# Allegro board LAY-38820_A.brd (continued)
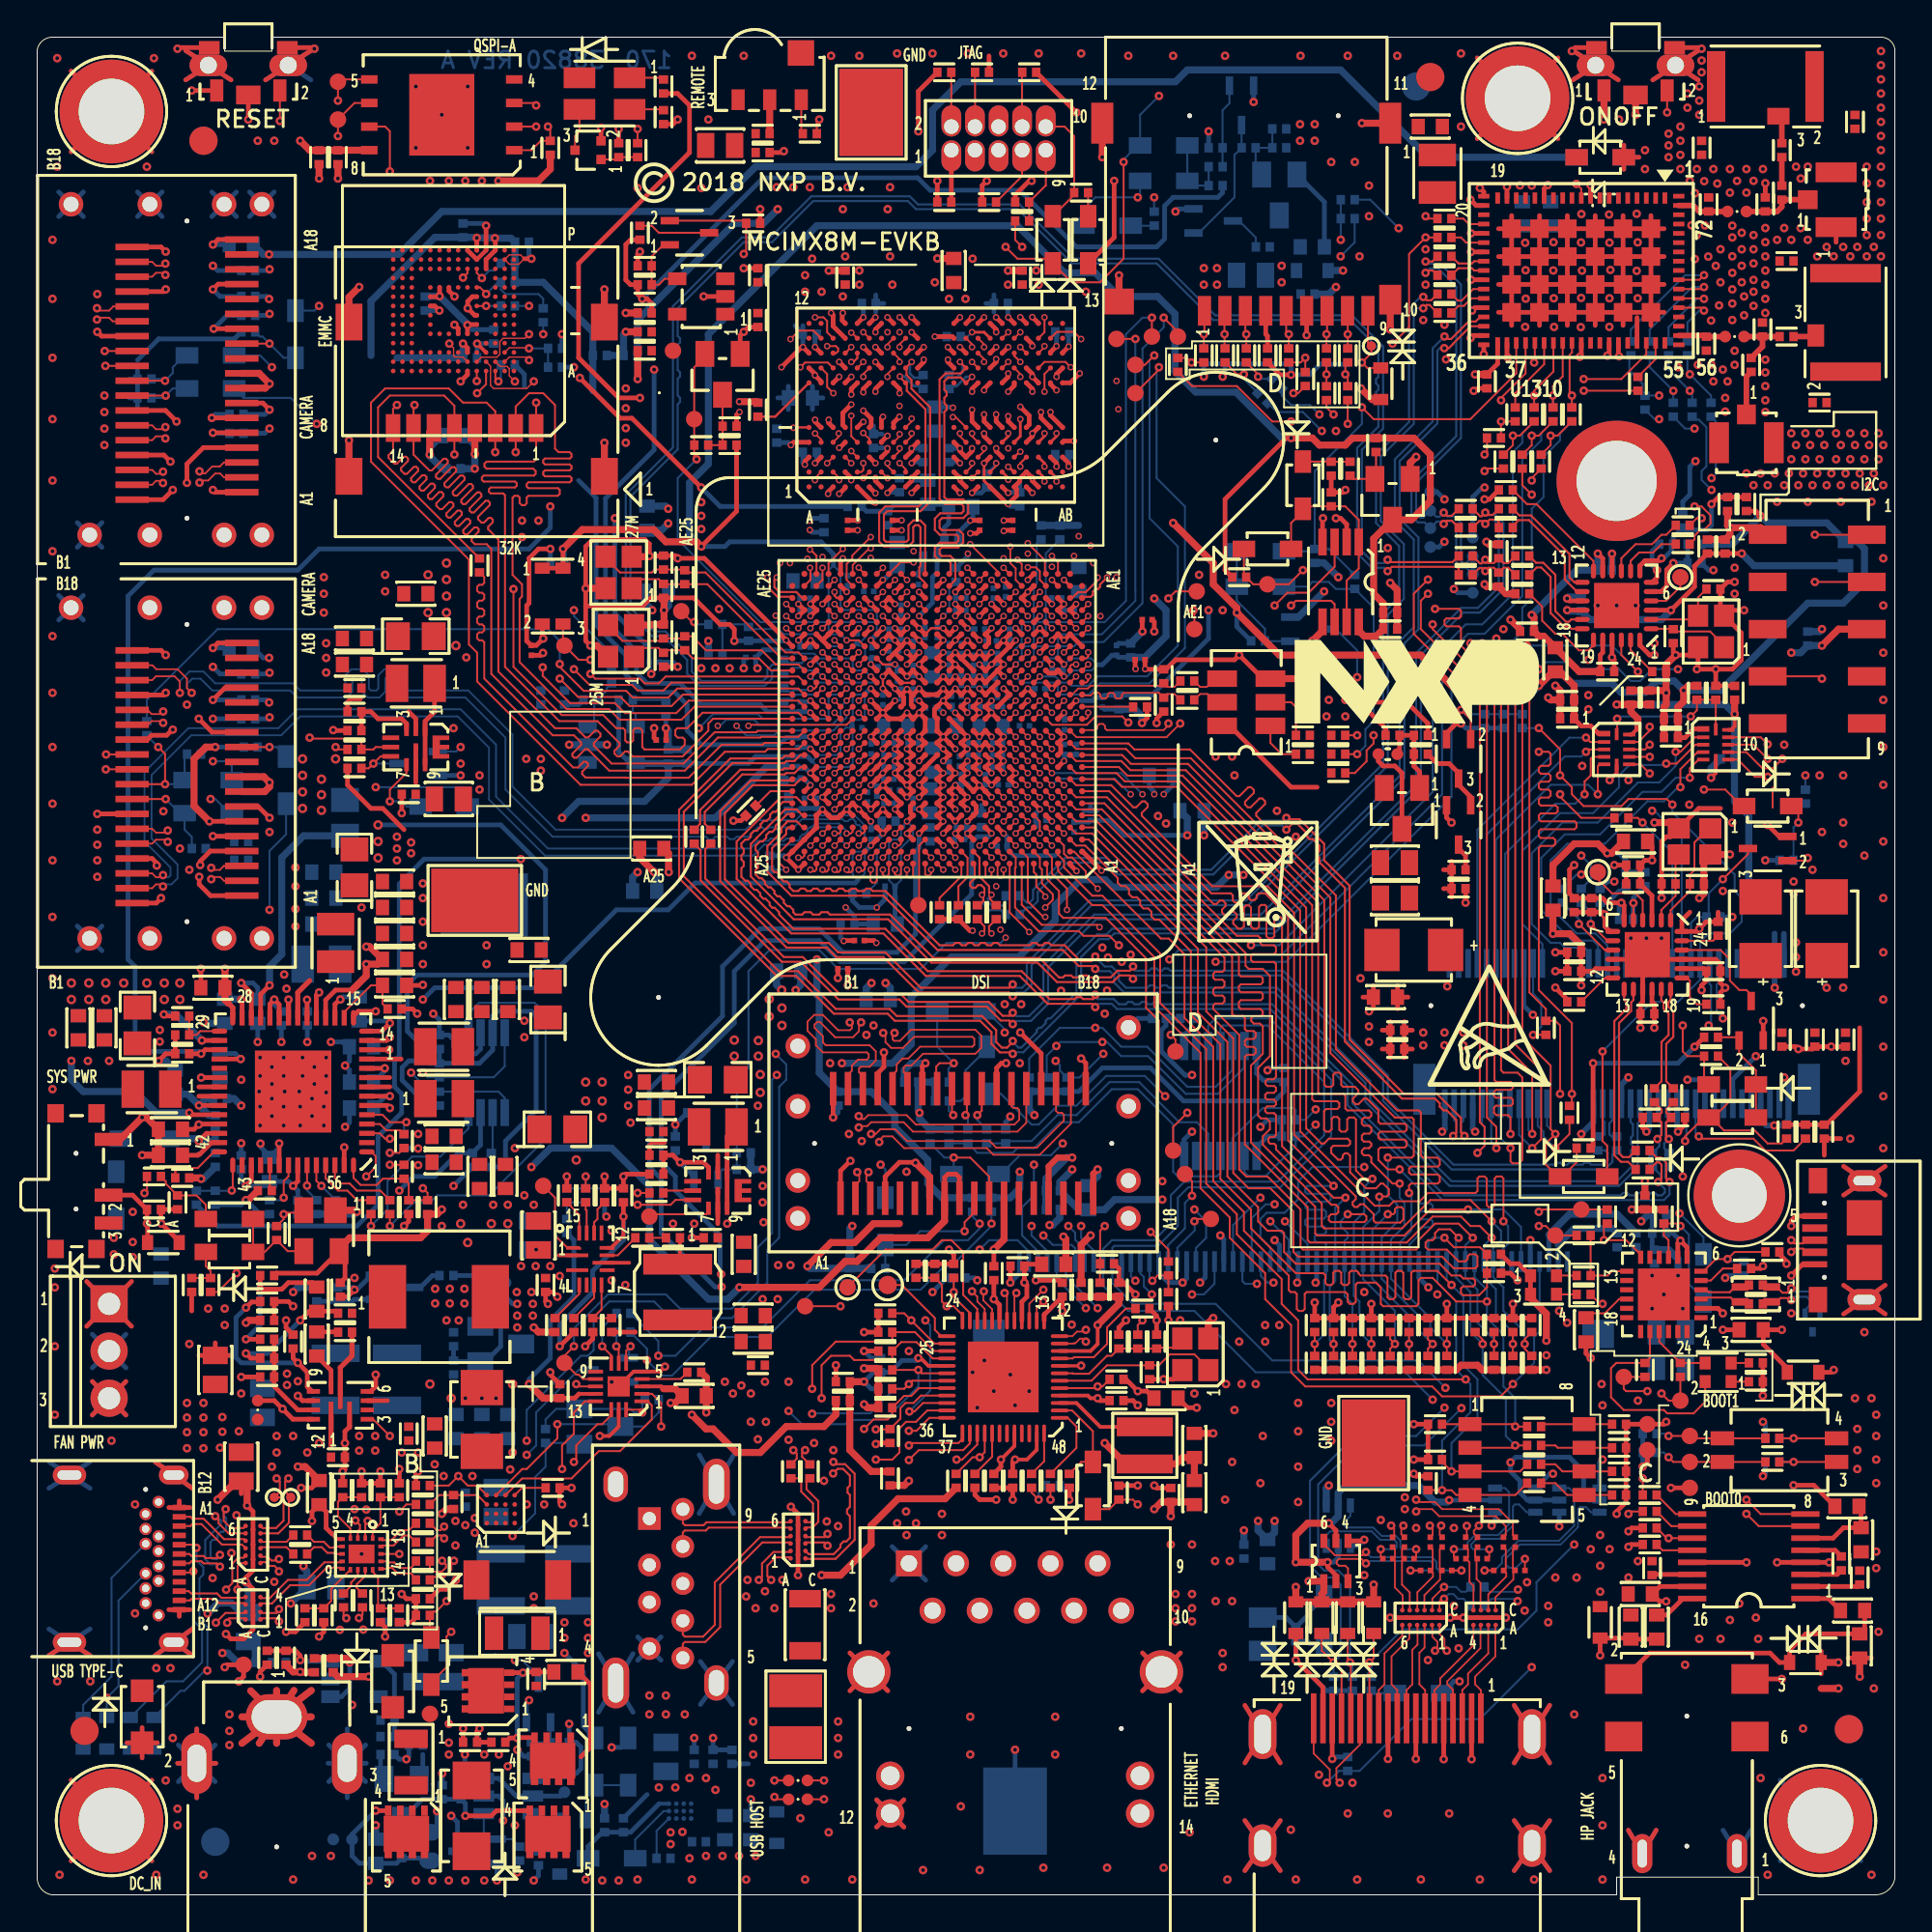
[diagram p0: board, top side]
## Routing (per net, layer and track width the routed paths; a pad name or vN(x,y) marks a point on that pad's centre or on a via; arc(x,y) is an arc through that point) (continued)
NVCC_3V3: length 236.4
  TOP w0.203: v1(57.09,26.73) 56.7,26.73 56.56,26.88 U1201.4 ; U907.3 33.59,27.37 33.72,27.24
  TOP w0.254: R920.1 20.39,22.68 v1(20.51,22.8) ; C1207.1 57.21,26.61 v1(57.09,26.73) ; R405.1 v1(48.46,92.26) ; R1223.1 58.24,22.03 v1(59.24,22.03) ; R1109.2 85.79,18.86 v1(85.66,18.73) ; U101.W4 v2(53.97,66.88) ; U101.R6 v2(53.32,64.93) U101.R5 ; v1(92.89,26.87) R1703.1 R1702.1 ; R1205.1 58.61,27.75 v1(59.24,27.11) 59.74,27.11 C1206.1 ; R1803.2 v1(60.9,30.92) ; v1(87.69,15.8) 87.34,15.8 C1104.1 87.35,16.6 U1101.15 ; Y501.6 64.2,62.93 67.5,59.63 68.9,59.63 ; U601.F5 23.19,84.53 v1(23.17,84.51) U601.E6 ; U601.K9 v1(21.66,86.05) 21.64,86.03 U601.J10 ; C1310.1 78.62,82.42 U1301.37 ; 72.07,64.2 73.72,64.2 74.86,63.06 R1460.1 ; D1703.3 D1703.1 79.75,33.97 79.3,33.97 R801.2 ; D402.A 57.97,89.22 v1(57.97,92.26) ; v1(94.55,22.05) 95.64,22.05 L1104.2 ; v1(92.9,33.84) 92.77,33.72 R1716.1 ; U101.D8 v2(52.02,57.13) ; 12.51,85.1 v1(12.51,85.11) ; U101.M18 v2(44.88,62.33) U101.L18 ; U101.J7 v2(52.67,60.38) U101.H7 v2(52.67,59.73) ; C1441.1 72.59,62.79 v1(71.31,64.07) ; U101.E3 v2(55.27,57.78) ; U101.F5 v2(53.97,58.43) ; U101.M3 v2(55.27,62.33) U101.L3 55.1,61.86 55.1,61.5 U101.K3 ; v1(34.48,95.57) 34.23,95.32 R1609.1 ; R402.1 47.43,97.08 v1(47.43,94.93) ; U702.55 v1(16.53,40.24) ; v1(87.69,25.46) 87.57,25.34 TP1701.1 R806.2 R804.2 R803.2 R802.2 85.53,21.14 85.03,20.64 v1(85.03,20.51) ; v1(55.94,95.95) 55.94,95.95 R403.1
  TOP w0.381: v1(81.24,29.83) 81.24,31.28 80.39,32.13 D1703.3 ; v1(55.24,35.43) 55.37,35.3 L1201.1 ; v1(96.07,67.25) 96.96,68.13 J801.5 ; v1(32.33,81.6) R101.1 ; v1(26.73,30.54) 26.98,30.3 R731.1 ; R1704.1 87.55,36.9 C1703.1 85.85,36.9 v1(85.84,36.89) ; v1(14.16,94.42) 14.67,93.91 C614.1 C613.1 16.2,93.92 U603.8 ; v1(24.83,92.26) 26.99,92.26 27.62,92.9 R620.1 ; C1310.1 v1(77.4,81.84) ; v1(34.1,26.48) 34.34,26.48 C915.1 34.34,27.24 33.72,27.24 ; v1(68.64,67.5) 69.19,68.05 U802.5 ; v1(81.24,28.26) R808.2 R807.2 R805.2 77.78,28.26 77.53,28.51 76.64,28.51 76.4,28.26 R816.2 R815.2 R814.2 R813.2 R812.2 R811.2 R810.2 R809.2 ; v1(42.23,17.21) 43.24,17.21 44.89,18.86 44.89,19.87 46.34,21.32 48.88,21.32 R1206.1 ; J601.P4 v1(23.56,77.56)
  L6_INT_2 w0.381: v1(16.53,40.24) 16.53,33.76 v1(17.08,33.21)
  L8_INT_3 w0.102: 54.3,66.56 54.3,65.45 54.06,65.21 53.65,65.21 53.65,66.56 v2(53.97,66.88) 54.3,66.56
  L8_INT_3 w0.254: v1(19.49,37.91) 19.11,37.91 17.08,35.88 v1(17.08,33.21) ; v2(53.32,64.93) 53.38,64.93 53.65,65.21
  L8_INT_3 w0.381: v1(53.68,41.97) 53.68,40.47 52.89,39.69 v1(52.89,38.92)
  BOTTOM w0.254: v1(76.57,11.49) 76.26,11.49 D1003.A ; R1346.1 88.58,74.99 88.96,75.37 88.96,76.87 v1(89.27,77.18) ; v2(44.88,62.33) 44.89,62.32 C194.1 ; R824.2 93.03,22.68 v1(92.9,22.54) ; v1(12.51,85.11) 12.43,85.03 C1516.1 ; R1323.1 77.28,75.25 77.79,75.75 v1(77.91,75.75) ; v2(52.67,59.73) 52.66,59.75 C193.1 ; R1463.1 v1(93.03,55.69) ; R1606.1 69.29,91.12 Q1602.2 ; v1(84.9,54.55) 84.52,54.55 R1457.1 ; R823.1 93.03,25.33 v1(92.9,25.46) ; R1322.1 76.47,70.09 v1(76.26,70.29) ; v2(53.97,58.43) 53.77,58.23 C196.1 53.77,57.48 ; C603.1 23.41,84.26 v1(23.17,84.51) ; v1(12.49,64.19) 12.35,64.32 C1513.1 ; U1502.7 23.87,40.37 C1530.1 22.66,39.93 21.4,38.67 20.26,38.67 v1(19.49,37.91) ; R308.1 56.08,43.25 57.34,44.51 59.93,44.51 61.71,42.73 66.61,42.73 67.12,43.24 C1528.1 67.02,43.85 66,43.85 65.64,44.21 U1501.14 ; 54.8,55.94 52.56,55.94 52.21,56.3 C199.1 52.21,56.95 v2(52.02,57.13) ; C1510.1 12.35,86.04 v1(12.49,85.91) ; C2.1 v2(53.32,64.93) ; v1(12.51,63.39) 12.43,63.31 C1519.1 ; C781.1 25.21,32.19 25.59,31.81 v1(25.84,31.81)
  BOTTOM w0.381: v1(30.54,4.89) R917.1 ; v1(41.97,50.35) 41.97,48.45 42.1,48.32 42.1,44.25 C1523.1 44.9,43.24 46.16,41.97 46.16,41.34 47.94,39.56 47.94,38.29 48.71,37.52 R301.1 R302.1 52.38,37.52 52.89,38.04 v1(52.89,38.92) ; v1(96.07,67.25) 96.07,67.25 C804.1 94.93,66.86 v1(94.42,66.86) ; v1(70.04,70.93) 69.27,71.7 R1343.1 ; C618.1 23.56,78.05 v1(23.56,77.56) 23.56,76.77 v1(23.56,76.77) C617.1 ; C601.1 20.91,86.05 v1(21.66,86.05) 23.17,84.55 v1(23.17,84.51) ; v1(39.86,90.74) 39.1,89.98 37.53,89.98 32.31,84.77 C602.1 32.33,82.85 v1(32.33,81.6) ; v1(53.68,41.97) 53.4,42.25 R303.1 R304.1 R308.1 ; v1(54.5,36.05) 54.67,36.05 55.05,36.44 C1526.1
  vias: v1(11.87,94.42) v1(12.76,94.42) v1(21.14,92.26) v1(22.16,92.26) v1(23.05,92.26) v1(23.94,92.26) v1(25.84,31.18) v1(25.84,30.54) v1(26.68,31.81) v1(26.68,31.18) v1(39.81,91.92) v1(40.7,91.92) v1(41.59,91.92) v1(61.02,18.86) v1(61.53,30.92) v1(62.17,18.86) v1(62.29,26.99) v1(67.98,95.31) v1(67.98,94.42) v1(68.52,63.44) v1(68.77,95.31) v1(68.77,94.42) v1(69.4,63.44) v1(69.53,64.32) v1(70.42,64.32) v1(70.42,63.44) v1(81.24,29.04)
NVCC_DRAM_1V1: length 73.1
  TOP w0.127: v2(48.77,68.18) 48.12,68.18 U101.Y14
  TOP w0.254: U201.R12 v2(50.97,84.92) ; U201.U10 v2(52.27,83.32) ; C160.1 52.04,73.99 v2(52.03,73.98) ; v2(44.47,79.9) 44.9,79.47 44.9,79.09 U201.F5 ; C767.1 6.91,47.31 v1(6.82,47.4) ; v2(52.92,80.1) 53.4,79.62 53.4,79.15 U201.W5 ; v2(40.58,78.04) 40.73,78.19 U201.A4 ; v2(50.32,79.95) 50.32,79.32 U201.R5 ; v2(50.32,80.92) 50.32,81.07 U201.R8 ; v2(53.32,69.48) U101.AC6 v2(53.32,70.13) 53.33,70.13 U101.AD5 ; U201.D12 43.33,84.76 43.33,85.12 v2(43.37,85.15) ; U101.Y14 v2(47.48,68.18) U101.AA15 ; U201.U8 52.27,81.72 v2(52.27,81.89) ; v2(46.43,80.83) 46.43,81.06 U201.H8 ; U201.K3 v2(47.07,77.07) ; U101.AB8 51.7,69.16 v2(51.38,69.48) ; U201.AA10 54.55,83.04 v2(54.87,83.37) ; U201.AB4 55.27,78.26 v2(55.82,78.26) ; C177.1 50.24,73.99 v2(50.23,73.98) ; C35.1 v2(46.53,73.99) ; v2(54.04,79.82) 54.04,79.5 U201.AA5 ; v2(54.87,76.89) 54.87,77.07 U201.AA3 ; U201.U3 51.62,77.72 v2(51.62,77.87) ; v2(44.47,80.89) 44.47,81.07 U201.F8 ; v2(46.18,69.48) U101.AC17 45.85,69.81 v2(45.53,69.48) U101.AB17 ; U101.AC20 v2(43.58,69.48) ; v2(45.53,70.78) 45.52,70.78 U101.AD18 ; C36.1 v2(44.17,73.99) ; U201.AB9 54.87,81.87 v2(54.87,81.72) ; U201.F10 v2(44.47,83.32) ; v2(53.57,80.92) 53.57,81.07 U201.W8 ; U201.B8 42.2,81.47 v2(41.87,81.79) 41.87,81.87 U201.A9 ; v2(45.12,77.07) 45.12,77.07 U201.F3 ; U201.R1 v2(50.32,75.47) ; U201.B5 42.19,78.99 41.87,79.3 v2(41.87,79.41) ; v2(43.82,80.23) 43.37,79.77 43.37,79.12 U201.D5 ; U101.AC8 v2(52.02,69.48) ; U201.D1 43.5,75.74 v2(43.17,75.42) ; U201.N1 v2(49.67,75.47) ; v2(54.87,80.99) 54.55,81.32 U201.AA8 ; v2(51.62,79.69) 51.62,79.32 U201.U5 ; U201.K12 v2(47.07,84.92) ; U101.AC14 v2(47.48,70.13) ; U101.AC23 41.95,69.81 v2(41.63,69.48) U101.AB23 v2(41.63,68.83) ; v2(49.42,68.18) U101.Y12 v2(48.77,68.18) ; U201.D8 v2(43.82,81.72) ; U101.AD21 43.57,70.13 v2(43.58,70.13) ; U201.N12 v2(49.67,84.92) ; U101.AC3 54.95,69.81 v2(55.27,69.48) U101.AB3 v2(55.27,68.83) ; U201.W1 v2(53.57,75.47) ; U101.AA10 50.08,68.83 v2(50.07,68.83) ; U201.K10 v2(47.72,83.32) ; U201.B3 v2(41.87,77.07) ; U201.B10 v2(41.87,83.32) ; U201.W12 52.92,84.92 v2(52.92,84.92) ; U201.N10 v2(49.02,83.32) ; U201.H1 v2(45.77,75.47) ; U201.N3 v2(49.67,77.07) ; U702.30 v1(8.87,45.99) ; U201.K1 v2(47.07,75.47) ; v2(46.42,79.56) 46.1,79.25 U201.H5 ; U201.H12 v2(45.77,84.92)
  TOP w0.381: v2(37.79,80.38) 38.74,80.38 R204.1
  L6_INT_2 w0.381: v1(8.87,45.99) 10.44,47.56 11.37,47.56 11.75,47.94 11.75,49.24 12.13,49.62 12.56,49.62 14.79,51.85 14.79,55.43 14.29,55.94 v3(14.29,58.48)
  BOTTOM w0.254: v2(49.67,77.07) 49.62,77.13 C215.1 ; v2(41.87,77.07) 41.97,77.16 C210.1 ; C18.1 45.58,70.78 v2(45.53,70.78) ; R203.1 40.44,78.17 v2(40.58,78.04) ; C218.1 49.59,73.34 v2(50.23,73.98) 50.37,74.12 R209.1 ; v2(50.32,75.47) 50.82,75.47 R207.1 ; v2(41.59,73.98) 41.71,74.1 C217.1 ; v2(47.07,77.07) 47.13,77.13 C214.1 ; R206.1 45.81,75.51 v2(45.77,75.47) ; v2(54.87,83.37) 54.87,84.07 C207.1 ; v2(43.58,70.13) 43.62,70.18 C155.1 ; C212.1 41.87,83.92 v2(41.87,83.32) ; v2(54.87,76.89) 54.87,77.47 C209.1
  BOTTOM w0.381: v1(8.87,45.99) 7.47,47.4 v1(6.82,47.4)
  vias: v1(43.37,86.04) v1(44.26,86.68) v1(46.04,86.68) v1(48.32,86.8) v1(49.08,85.91) v1(49.97,85.91) v1(52.26,86.68) v1(53.91,86.68) v2(46.83,69.48) v2(50.07,70.13) v2(50.07,69.48) v3(14.29,61.15) v3(14.29,60.26) v3(14.29,59.37) v3(15.3,60.06) v3(15.3,59.22) v3(15.3,58.38) v3(16.06,61.15)
NVCC_ENET_2V5: length 78.9
  TOP w0.254: U101.T18 v2(44.88,65.58)
  TOP w0.381: v1(35.24,25.84) 36,25.08 36.38,25.08 37.65,23.81 38.92,23.81 40.32,25.21 42.35,25.21 43,25.85 R1201.2
  L6_INT_2 w0.381: v1(35.24,25.84) 34.73,26.35 34.73,28.54 32.22,31.05 30.29,31.05 28.76,32.57 28.76,33.74 27.14,35.37 24.19,35.37 23.68,35.88 23.68,38.42 22.67,39.43 22.67,51.93 22.92,52.19 22.92,56.2 25.72,58.99 25.72,61.4 27.24,62.93 28.89,62.93 32.65,66.69 38.21,66.69 38.77,66.13 v1(38.77,66.03)
  BOTTOM w0.102: 40.75,66.82 41.83,66.82 42.08,66.56 43.8,66.56 43.9,66.46 43.9,66.08 44.07,65.91 44.55,65.91 v2(44.88,65.58)
  BOTTOM w0.107: 39.76,67.02 40.55,67.02 40.75,66.82
  BOTTOM w0.254: 39.76,67.02 39.09,67.02 C3.1 38.68,66.12 v1(38.77,66.03)
NVCC_SD2: length 72.4
  TOP w0.254: R1602.1 32.44,89.09 31.94,89.09 31.69,88.84 31.69,86.93 31.94,86.68 R1601.1 32.33,86.16 v1(32.57,85.91) 32.83,85.91 33.08,85.66 33.08,85.16 C1604.1 ; U101.N23 v2(41.63,63.63)
  BOTTOM w0.254: R1612.1 63.81,91.63 63.56,91.38 61.15,91.38 60.69,90.92 60.69,89.14 60.26,88.71 55.94,88.71 52.89,91.76 48.07,91.76 47.4,92.43 39.09,92.43 v1(32.57,85.91) ; v1(33.21,82.1) 33.21,77.79 30.59,75.17 30.59,68.59 32.26,66.93 32.26,65.79 32.83,65.21 34.61,65.21 35.75,64.07 38.92,64.07 39.31,63.69 C191.1 41.57,63.69 v2(41.63,63.63)
NVCC_SNVS_3V3: length 181
  TOP w0.254: v1(35.75,72.58) 37.65,74.48 R415.1 ; v1(67.5,78.42) 67.24,78.42 63.94,75.13 63.94,71.31 64.32,70.93 R419.1 ; U101.W18 v2(44.88,67.53) ; v1(28.31,72.45) Y403.4 Y403.1 ; C720.1 16.57,33.2 16.57,34.33 U704.4 15.07,33.46 12.88,33.46 R755.2
  TOP w0.381: U802.8 71.14,68.05 71.44,67.75 72.08,67.75 C801.1 C802.1 72.46,69.53 71.94,70.04 71.94,73 U801.3 73.98,74.02 74.99,75.04 74.99,77.53 74.11,78.42 R847.1 70.8,78.42 70.42,78.04 69.02,78.04 68.64,78.42 v1(67.5,78.42) ; v1(35.75,72.58) 35.5,72.83 33.84,72.83 33.18,73.49 29.35,73.49 v1(28.31,72.45) ; v1(21.78,36.89) 21.53,36.65 R723.1 21.02,35.75 20.64,35.37 16.83,35.37 16.25,34.79 U704.4
  L6_INT_2 w0.381: v1(36.13,67.5) 32.45,67.5 29.15,64.2 27.49,64.2 24.95,61.66 24.95,59.12 22.22,56.39 22.22,53.09 21.91,52.77 21.91,39.05 21.78,38.92 v1(21.78,36.89)
  L8_INT_3 w0.381: v1(35.75,72.58) 35.75,71.56 35.37,71.18 35.37,69.4 36.13,68.64 v1(36.13,67.5)
  BOTTOM w0.102: 45.2,68.64 45.07,68.51 ; 45.2,68.64 45.2,68.51 45.2,68.51 ; 45.2,68.64 45.2,69.06 45.1,69.16 43.44,69.16 43.25,69.35 43.25,71.18 42.86,71.56 42.6,71.3 42.6,68.7 42.79,68.51 45.07,68.51 ; 45.07,68.51 45.08,68.51 ; 45.2,68.51 45.08,68.51 ; 45.2,68.51 45.2,68.39 ; 45.2,67.86 45.2,68.39 ; 45.2,68.39 45.08,68.51
  BOTTOM w0.254: 45.2,67.86 v2(44.88,67.53) 44.94,67.46 C101.1 ; C406.1 28.38,72.38 v1(28.31,72.45) ; v1(35.75,72.58) 37.02,72.58 37.27,72.83 42.2,72.83 42.86,72.17 42.86,71.56
  BOTTOM w0.381: R409.1 36.14,67.49 v1(36.13,67.5) ; v1(67.5,78.42) 66.99,78.42 64.52,80.89 62.37,80.89 61.25,82.01 61.25,85.1 60.31,86.04 58.23,86.04 56.96,87.31 55.31,87.31 52.77,89.85 41.97,89.85 36.13,84.01 36.13,77.02 35.11,76.01 35.11,73.21 v1(35.75,72.58)
NWDOG: length 131.4
  TOP w0.107: U101.R4 v2(54.62,64.28) ; C726.1 9.72,32.45 v1(10.73,33.46)
  L6_INT_2 w0.076: v1(10.73,33.46) 10.98,33.72 14.67,33.72 19.75,28.64 30.8,28.64 34.35,25.08 37.53,25.08 38.54,24.07 39.94,24.07 42.18,21.83 49.16,21.83 50.51,20.48 56.17,20.48 58.48,22.8 58.48,28 59.75,29.27 63.44,29.27 65.29,31.13 67.68,31.13 68.13,30.67 73.72,30.67 v1(75.37,32.32)
  L8_INT_3 w0.076: v2(54.62,64.28) 54.95,63.96 56.21,63.96 56.58,64.32 60.77,64.32 61.15,64.71 62.93,64.71 63.49,64.14 67.05,64.14 73.28,57.91 73.28,55.88 74.99,54.16 74.99,52.77 76.39,51.37 76.39,47.69 75.25,46.54 75.25,43.12 74.36,42.23 74.36,40.07 75.5,38.92 75.5,36.38 74.87,35.75 74.87,33.97 75.37,33.46 v1(75.37,32.32)
ODT_CA_A: length 1.1
  TOP w0.107: v2(45.78,76.26) 45.45,76.59 U201.G2
  BOTTOM w0.107: v2(45.78,76.26) 45.78,76.26 R206.2
ODT_CA_B: length 1.4
  TOP w0.102: U201.T2 51.62,76.92 v2(51.62,77.07)
  BOTTOM w0.107: R207.2 51.62,77.02 v2(51.62,77.07)
ONOFF: length 74.5
  TOP w0.107: v1(68.13,71.31) 67.37,70.55 TP401.1 65.46,70.55 R419.2 64.96,71.05 D801.A ; U101.W21 v2(42.93,67.53) ; SW1701.2 v1(87.74,95.95)
  L6_INT_2 w0.076: v2(42.93,67.53) 43.08,67.53 43.42,67.2 44.43,67.2 45.71,65.92 57.03,65.92 57.59,66.48 63.05,66.48 63.94,67.37 66.1,67.37 68.13,69.4 v1(68.13,71.31) 68.13,76.01 71.82,79.69 71.82,87.57 v1(71.18,88.2)
  L8_INT_3 w0.076: v1(71.18,88.2) 71.18,88.34 75.65,92.81 82.6,92.81 84.9,95.11 86.9,95.11 v1(87.74,95.95)
PCIE1_NCLKREQ: length 36
  TOP w0.107: v1(71.06,61.4) R307.2 ; U101.F8 v2(52.02,58.43)
  L6_INT_2 w0.076: v1(71.06,61.4) 67.88,61.4 65.09,58.61 61.91,58.61 60.9,59.63 57.34,59.63 56.47,58.76 52.54,58.76 52.21,58.43 v2(52.02,58.43)
  BOTTOM w0.107: D1304.C 68.39,70.42 68.64,70.67 69.53,70.67 69.91,70.3 R1357.1 71.94,69.28 71.94,63.18 71.5,62.74 71.5,61.85 v1(71.06,61.4)
PCIE1_REF_CLKN: length 81.7
  TOP w0.114: U101.K24 41.09,61.36 40.76,61.03 40.33,61.03 40.22,60.92 37.42,60.92 34.81,58.31 34.81,54.83 39.92,49.72 40.96,49.72 42.99,47.69 45.89,47.69 46.27,47.31 50.86,47.31 51.62,46.54 51.62,45.91 51.93,45.61 52.21,45.61 52.51,45.91 v1(52.51,45.96) ; R1339.1 77.63,73.96 77.8,73.96 v1(77.95,73.8) 78.18,74.03 78.57,74.03 78.68,73.91 R1332.2
  BOTTOM w0.114: v1(52.51,45.96) 52.51,45.91 52.81,45.61 52.98,45.61 53.81,46.44 53.81,46.56 53.92,46.67 54.04,46.67 54.29,46.93 54.29,47.05 54.42,47.18 54.55,47.18 55.94,48.58 55.94,50.59 57.06,51.7 57.56,51.7 57.87,52.01 66.48,52.01 74.23,59.75 74.23,66.84 76.67,69.28 77.55,69.28 78.68,70.4 78.68,73.74 78.39,74.03 78.18,74.03 v1(77.95,73.8)
PCIE1_REF_CLKP: length 82
  TOP w0.114: v1(52.51,45.27) 52.44,45.35 51.82,45.35 51.37,45.8 51.37,46.44 50.76,47.05 46.16,47.05 45.78,47.43 42.88,47.43 40.85,49.47 39.81,49.47 34.56,54.72 34.56,58.41 37.32,61.17 40.11,61.17 40.25,61.31 40.6,61.31 U101.K25 ; R1338.1 77.67,74.21 77.76,74.21 v1(77.95,74.41) 78.08,74.28 78.35,74.28 R1331.2
  BOTTOM w0.114: v1(52.51,45.27) 52.6,45.36 53.08,45.36 56.2,48.47 56.2,50.48 57.16,51.45 57.67,51.45 57.97,51.75 66.59,51.75 74.48,59.65 74.48,66.74 76.77,69.02 77.66,69.02 78.93,70.29 78.93,73.85 78.5,74.28 78.08,74.28 v1(77.95,74.41)
PCIE1_REQ: length 21.9
  TOP w0.107: U1302.22 85.28,66.74 v1(86.17,65.85)
  L6_INT_2 w0.076: v1(71.06,65.54) 72.25,66.74 78.04,66.74 78.42,67.12 80.07,67.12 v1(80.2,67.25)
  BOTTOM w0.107: v1(80.2,67.25) 84.77,67.25 v1(86.17,65.85) ; Q1301.3 69.91,68.13 71.06,66.99 v1(71.06,65.54)
PCIE1_RXN: length 80.3
  TOP w0.114: C1312.1 75.05,85.84 74.79,85.84 v1(74.61,86.02) ; v1(52.51,49.01) 52.34,48.83 47.56,48.83 45.66,50.74 43.12,50.74 42.61,51.24 40.45,51.24 37.02,54.67 37.02,58.23 38.52,59.73 40.76,59.73 41.09,60.06 U101.H24
  BOTTOM w0.114: v1(52.51,49.01) 52.69,48.83 53.02,48.83 53.28,49.08 53.28,50.16 56.65,53.53 65.09,53.53 72.45,60.9 72.45,69 73.32,69.87 73.32,72.61 72.07,73.85 72.07,77.51 73.85,79.29 73.85,85.4 74.11,85.66 74.11,85.67 74.46,86.02 v1(74.61,86.02)
PCIE1_RXP: length 80.3
  TOP w0.114: C1311.1 74.95,85.58 74.79,85.58 v1(74.61,85.41) ; U101.H25 40.58,59.99 38.42,59.99 36.77,58.33 36.77,54.57 40.34,50.99 42.5,50.99 43.01,50.48 45.55,50.48 47.46,48.58 52.31,48.58 v1(52.51,48.37)
  BOTTOM w0.114: v1(52.51,48.37) 52.72,48.58 53.13,48.58 53.53,48.98 53.53,50.05 56.76,53.28 65.19,53.28 72.71,60.79 72.71,68.9 73.57,69.76 73.57,72.71 72.33,73.96 72.33,77.41 74.1,79.18 74.1,85.29 74.22,85.41 v1(74.61,85.41)
PCIE1_TXN: length 7.5
  TOP w0.114: C1305.1 35.94,57.65 35.94,58.29 37.96,60.31 40.25,60.31 40.32,60.38 40.76,60.38 40.78,60.4 41.09,60.71 U101.J24
PCIE1_TXP: length 7.1
  TOP w0.114: U101.J25 40.58,60.64 40.21,60.64 40.14,60.57 37.85,60.57 35.68,58.4 35.68,57.65 C1304.1
PCIE2_NCLKREQ: length 63.4
  TOP w0.107: v1(88.58,46.8) 88.58,45.4 88.84,45.15 R1465.1 89.73,43.87 D1402.C ; U101.F9 v2(50.72,59.08)
  L6_INT_2 w0.076: v1(88.58,46.8) 87.57,45.78 85.66,45.78 83.5,43.62 68.64,43.62 65.47,46.8 60.77,46.8 59.24,45.27 v1(57.39,45.27) ; v2(50.72,59.08) 50.72,56.95 50.4,56.62 50.4,54.34 50.1,54.04 50.1,53.28 49.21,52.39 49.21,46.29 51.75,43.75 52.64,43.75 53.78,44.89 v1(54.83,44.89)
  BOTTOM w0.107: v1(54.83,44.89) 55.05,44.67 55.05,44.38 R308.2 56.11,44 v1(57.39,45.27)
PCIE2_REF_CLKN: length 69
  TOP w0.114: v1(87.87,38.38) 87.69,38.55 87.69,39.41 87.41,39.69 87.18,39.69 R1422.2 ; v1(56.96,47.79) 56.78,47.97 54.39,47.97 52.9,49.47 47.84,49.47 45.55,51.75 40.6,51.75 37.65,54.69 37.65,56.7 40.04,59.09 40.86,59.09 41.19,58.76 U101.F24
  BOTTOM w0.114: v1(56.96,47.79) 57.14,47.97 57.84,47.97 58.12,47.69 66.38,47.69 70.55,43.52 70.55,42.5 75.65,37.4 87.57,37.4 87.87,37.71 v1(87.87,38.38) 87.87,38.4 87.64,38.63 87.64,38.98 R1426.1
PCIE2_REF_CLKN_CN: length 5.4
  TOP w0.114: v1(87.83,40.69) 87.69,40.83 87.69,41.59 R1428.1 87.7,42.1 87.7,42.29 R1424.2
  BOTTOM w0.114: J1401.49 87.78,41.67 87.65,41.55 87.65,40.87 v1(87.83,40.69) 87.58,40.44 87.58,40.2 R1426.2
PCIE2_REF_CLKP: length 68.5
  TOP w0.114: U101.F25 40.58,58.83 40.14,58.83 39.94,58.63 39.94,58.48 39.76,58.3 39.61,58.3 39.45,58.14 39.45,57.99 39.27,57.81 39.12,57.81 38.94,57.63 38.94,57.48 38.74,57.28 38.59,57.28 38.42,57.11 38.42,56.96 38.26,56.81 38.12,56.81 37.91,56.6 37.91,56.42 38.04,56.29 38.04,56.08 37.91,55.95 37.91,55.73 38.04,55.61 38.04,55.39 37.91,55.26 37.91,54.8 38.12,54.59 38.25,54.59 38.42,54.42 38.42,54.29 38.6,54.1 38.73,54.1 38.92,53.91 38.92,53.78 39.09,53.62 39.22,53.62 39.43,53.4 39.43,53.28 39.57,53.13 39.7,53.13 39.94,52.89 39.94,52.76 40.7,52.01 45.66,52.01 47.35,50.31 47.94,49.72 53,49.72 54.5,48.22 55.84,48.22 55.94,48.32 56.2,48.32 56.3,48.22 56.84,48.22 56.96,48.34 v1(56.96,48.45) ; v1(87.26,38.38) 87.44,38.55 87.44,39.3 87.31,39.43 87.18,39.43 R1421.2
  BOTTOM w0.114: R1425.1 87.39,38.75 87.39,38.5 v1(87.26,38.38) 87.26,38.35 87.62,38 87.62,37.81 87.46,37.65 87.22,37.65 87.09,37.78 86.87,37.78 86.75,37.65 86.53,37.65 86.4,37.78 86.19,37.78 86.06,37.65 85.72,37.65 85.59,37.78 85.38,37.78 85.25,37.65 75.75,37.65 70.8,42.61 70.8,43.62 66.48,47.94 60.49,47.94 60.36,48.07 60.15,48.07 60.02,47.94 59.8,47.94 59.68,48.07 59.46,48.07 59.33,47.94 59.07,47.94 58.94,48.07 58.72,48.07 58.6,47.94 58.23,47.94 57.95,48.22 57.07,48.22 56.96,48.34 v1(56.96,48.45)
PCIE2_REF_CLKP_CN: length 5.4
  TOP w0.114: v1(87.22,40.69) 87.44,40.91 87.44,41.59 R1427.1 87.45,42.11 87.45,42.28 R1423.2
  BOTTOM w0.114: J1401.47 87.28,41.63 87.4,41.5 87.4,40.87 v1(87.22,40.69) 87.33,40.58 87.33,40.31 R1425.2
PCIE2_RXN: length 62.8
  TOP w0.114: v1(56.96,49.85) 56.81,50 56.07,50 55.2,50.86 48.47,50.86 45.55,53.78 40.6,53.78 39.31,55.08 39.31,56.45 40.07,57.21 40.07,57.45 40.32,57.7 40.32,57.72 40.39,57.78 40.89,57.78 41.22,57.46 U101.D24
  BOTTOM w0.114: v1(56.96,49.85) 57.08,49.72 57.74,49.72 57.97,49.49 57.97,49.11 58.5,48.58 66.63,48.58 71.5,43.71 71.5,42.69 76.03,38.16 85.15,38.16 86.15,39.16 86.15,41.53 86.28,41.65 J1401.43
PCIE2_RXP: length 62.7
  TOP w0.114: v1(56.96,50.51) 56.96,50.48 56.73,50.25 56.17,50.25 55.31,51.12 54.59,51.12 54.47,51.24 54.25,51.24 54.12,51.12 53.91,51.12 53.78,51.24 53.56,51.24 53.44,51.12 51.83,51.12 51.7,51.24 51.49,51.24 51.36,51.12 51.14,51.12 51.02,51.24 50.8,51.24 50.67,51.12 50.46,51.12 50.33,51.24 50.11,51.24 49.99,51.12 49.77,51.12 49.65,51.24 49.43,51.24 49.3,51.12 48.58,51.12 45.66,54.04 44.98,54.04 44.85,54.16 44.63,54.16 44.51,54.04 44.18,54.04 44.06,54.16 43.84,54.16 43.71,54.04 43.5,54.04 43.37,54.16 43.15,54.16 43.03,54.04 42.81,54.04 42.68,54.16 42.47,54.16 42.34,54.04 42.13,54.04 42,54.16 41.78,54.16 41.66,54.04 41.44,54.04 41.31,54.16 41.1,54.16 40.97,54.04 40.7,54.04 40.5,54.24 40.5,54.39 40.35,54.55 40.19,54.55 40,54.74 40,54.87 39.81,55.05 39.69,55.05 39.56,55.18 39.56,56.34 40.32,57.11 40.32,57.35 40.44,57.46 U101.D25
  BOTTOM w0.114: J1401.41 85.78,41.6 85.9,41.48 85.9,40.88 85.8,40.78 85.8,40.44 85.9,40.34 85.9,40.19 85.8,40.09 85.8,39.75 85.9,39.65 85.9,39.27 85.05,38.42 76.14,38.42 71.75,42.8 71.75,43.81 66.74,48.83 60.92,48.83 60.79,48.96 60.58,48.96 60.45,48.83 60.23,48.83 60.11,48.96 59.89,48.96 59.76,48.83 58.61,48.83 58.23,49.21 58.23,49.59 57.85,49.97 57.47,49.97 56.96,50.48 v1(56.96,50.51)
PCIE2_TXN: length 60.5
  TOP w0.114: U101.E24 41.2,58.11 40.88,58.43 40.27,58.43 38.73,56.89 38.73,56.88 38.42,56.57 38.42,54.82 40.72,52.51 45.8,52.51 48.14,50.18 53.86,50.18 54.9,49.14 57.9,49.14 58.25,49.49 58.81,49.49 v1(58.99,49.31)
  BOTTOM w0.114: v1(58.99,49.31) 59.17,49.49 66.97,49.49 72.45,44 72.45,42.73 76.14,39.05 84.39,39.05 84.8,39.46 84.8,39.85 C1420.1
PCIE2_TXP: length 60.5
  TOP w0.114: U101.E25 40.58,58.18 40.38,58.18 39.75,57.55 39.75,57.41 39.57,57.22 39.42,57.22 39.24,57.05 39.24,56.9 39.05,56.7 38.91,56.7 38.67,56.46 38.67,56.25 38.8,56.12 38.8,55.9 38.67,55.78 38.67,55.56 38.8,55.43 38.8,55.28 38.67,55.16 38.67,54.93 38.87,54.72 39,54.72 39.18,54.55 39.18,54.42 39.36,54.24 39.49,54.24 39.69,54.04 39.69,53.91 39.84,53.75 39.97,53.75 40.19,53.53 40.19,53.4 40.38,53.22 40.51,53.22 40.7,53.02 40.7,52.89 40.83,52.77 41.18,52.77 41.31,52.89 41.64,52.89 41.76,52.77 42.09,52.77 42.22,52.89 42.55,52.89 42.68,52.77 45.91,52.77 48.25,50.43 53.96,50.43 55,49.39 55.23,49.39 55.33,49.49 55.67,49.49 55.77,49.39 56.12,49.39 56.22,49.49 56.48,49.49 56.58,49.39 57.79,49.39 58.15,49.75 58.83,49.75 58.99,49.91 v1(58.99,49.97)
  BOTTOM w0.114: C1421.1 84.4,40.07 84.54,39.93 84.54,39.56 84.29,39.31 83.65,39.31 83.55,39.41 83.29,39.41 83.18,39.31 82.84,39.31 82.74,39.41 82.47,39.41 82.37,39.31 82.1,39.31 82,39.41 81.74,39.41 81.63,39.31 76.24,39.31 72.71,42.84 72.71,44.11 67.07,49.75 61,49.75 60.88,49.87 60.67,49.87 60.54,49.75 60.37,49.75 60.25,49.87 59.98,49.87 59.86,49.75 59.11,49.75 58.99,49.86 v1(58.99,49.97)
PCIE_NCLKREQ: length 12.9
  TOP w0.107: R1415.2 93.91,40.45 93.15,40.45 92.46,41.15 90.8,41.15 90.11,41.85 ; 90.11,41.85 90.23,41.85 91.14,42.76 91.14,44.49 R1465.2 ; 90.11,41.85 D1401.C 89.72,41.85 88.71,40.83 v1(88.71,40.58)
  BOTTOM w0.107: J1401.53 88.78,40.64 v1(88.71,40.58)
PCIE_NDIS: length 69.6
  TOP w0.107: U101.C5 v2(53.97,56.48) ; D1404.C 84.52,40.32 84.26,40.58 v1(84.26,45.4) ; v1(88.02,58.69) 87.72,58.99 85.66,58.99 85.28,58.61 83.25,58.61 82.61,59.24 82.61,59.63 v1(81.98,60.26) 81.98,61.66 v1(80.83,62.81)
  L6_INT_2 w0.076: v2(53.97,56.48) 53.97,56.13 54.55,55.56 57.34,55.56 58.74,54.16 70.04,54.16 75.12,59.24 79.82,59.24 80.83,60.26 v1(81.98,60.26)
  BOTTOM w0.107: R1459.1 v1(80.83,62.81) ; v1(88.02,58.69) 88.02,58.28 91.38,54.93 91.38,54.04 91.76,53.66 91.76,52.39 91.12,51.75 89.98,51.75 89.53,51.3 J1401.56 89.53,49.27 88.33,48.07 86.93,48.07 v1(84.26,45.4)
PCIE_NPME: length 65.1
  TOP w0.107: U1301.40 80.12,81.9 78.8,80.58 v1(78.8,80.45) ; U101.A5 53.65,55.06 53.78,54.93 53.78,54.29 54.27,53.81 v2(54.27,53.73)
  L6_INT_2 w0.076: v1(83.5,66.48) 83.5,65.85 84.57,64.78 84.57,61.2 83.63,60.26 82.87,60.26 82.36,59.75 81.34,59.75 80.33,58.74 75.25,58.74 70.12,53.61 58.65,53.61 57.72,54.55 55.08,54.55 v2(54.27,53.73)
  L8_INT_3 w0.076: v1(83.5,66.48) 81.42,68.57 81.42,69.58 80.96,70.04 77.79,70.04 76.64,71.18 76.64,78.29 v1(78.8,80.45)
PCIE_NRST: length 48.1
  TOP w0.107: v2(54.27,53.15) 54.27,53.15 54.67,53.56 54.67,53.86 54.09,54.44 54.09,55.19 53.98,55.31 53.98,55.83 U101.B5
  L6_INT_2 w0.076: v1(86.93,58.36) 85.66,58.36 85.1,57.8 76.85,57.8 71.65,52.6 57.51,52.6 56.65,53.45 54.57,53.45 v2(54.27,53.15)
  BOTTOM w0.107: v1(86.93,58.36) 87.06,58.36 88.53,56.89 J1401.52
PCIE_NWAKE: length 67.5
  TOP w0.107: R1416.2 94.54,40.07 93.03,40.07 92.39,40.7 89.57,40.7 v1(89.45,40.83) ; U101.E5 53.97,57.78 v2(53.97,57.13)
  L6_INT_2 w0.076: v2(53.97,57.13) 54.3,56.81 54.3,56.2 54.48,56.02 57.77,56.02 58.43,55.36 65.42,55.36 65.98,54.8 69.79,54.8 74.74,59.75 79.31,59.75 80.33,60.77 v1(83.17,60.77)
  L8_INT_3 w0.076: v1(83.17,60.77) 84.77,59.17 84.77,58.48 86.17,57.09 87.57,57.09 90.11,54.55 90.11,52.39 91.76,50.74 91.76,43.14 v1(89.45,40.83)
  BOTTOM w0.107: J1401.55 89.28,41 v1(89.45,40.83)
PCIE_REQ: length 5.7
  TOP w0.107: U1401.22 90.62,50.86 91.12,50.35 91.12,49.21 91.63,48.7 92.01,48.7 92.26,48.45 Q1401.3
PG_SEQ0: length 61.3
  TOP w0.107: U701.3 18.09,25.6 v1(18.99,24.7)
  L6_INT_2 w0.076: v1(28.89,69.15) 27.67,67.93 27.67,65.26 24.32,61.91 24.32,59.37 21.53,56.58 21.53,53.4 21.27,53.15 21.27,48.07 20.89,47.69 20.89,45.91 21.27,45.53 21.27,36.77 21.58,36.46 21.96,36.46 22.29,36.13 22.29,35.24 23.05,34.48 23.79,34.48 v1(25.82,32.45)
  L8_INT_3 w0.076: v1(18.99,24.7) 18.73,24.95 18.73,29.15 20.97,31.38 24.75,31.38 v1(25.82,32.45)
  BOTTOM w0.107: R762.1 30.92,66.81 28.89,68.85 v1(28.89,69.15)
PHY_CLKOUT: length 4.7
  TOP w0.107: TP1202.1 46.54,32.83 48.32,31.05 48.32,30.42 48.66,30.08 U1201.25
PMIC_NINT: length 121.5
  TOP w0.107: U101.N6 v2(53.32,63.63) ; v1(17.72,38.67) 18.22,39.18 18.22,39.76 17.99,39.99 U702.1
  L6_INT_2 w0.076: v1(17.72,38.67) 17.72,36.51 17.46,36.26 17.46,35.24 17.72,34.99 17.72,31.43 20.13,29.02 30.92,29.02 34.56,25.39 37.86,25.39 38.29,24.95 42.61,24.95 44.77,22.8 48.7,22.8 50.69,20.81 55.87,20.81 57.97,22.92 57.97,28.26 59.37,29.65 63.18,29.65 65.09,31.56 68.01,31.56 68.26,31.3 70.29,31.3 v1(71.44,32.45)